# Altium PCB PMSM_Driver_V0.15.PcbDoc
Units mil, origin at the board's own origin, x right, y up, seen from the top; angles counter-clockwise.
Board outline 3740.16 x 3543.31 mil, 2 copper layers (Top Layer, Bottom Layer); 137 components, 75 nets, 356 pads, 315 vias.
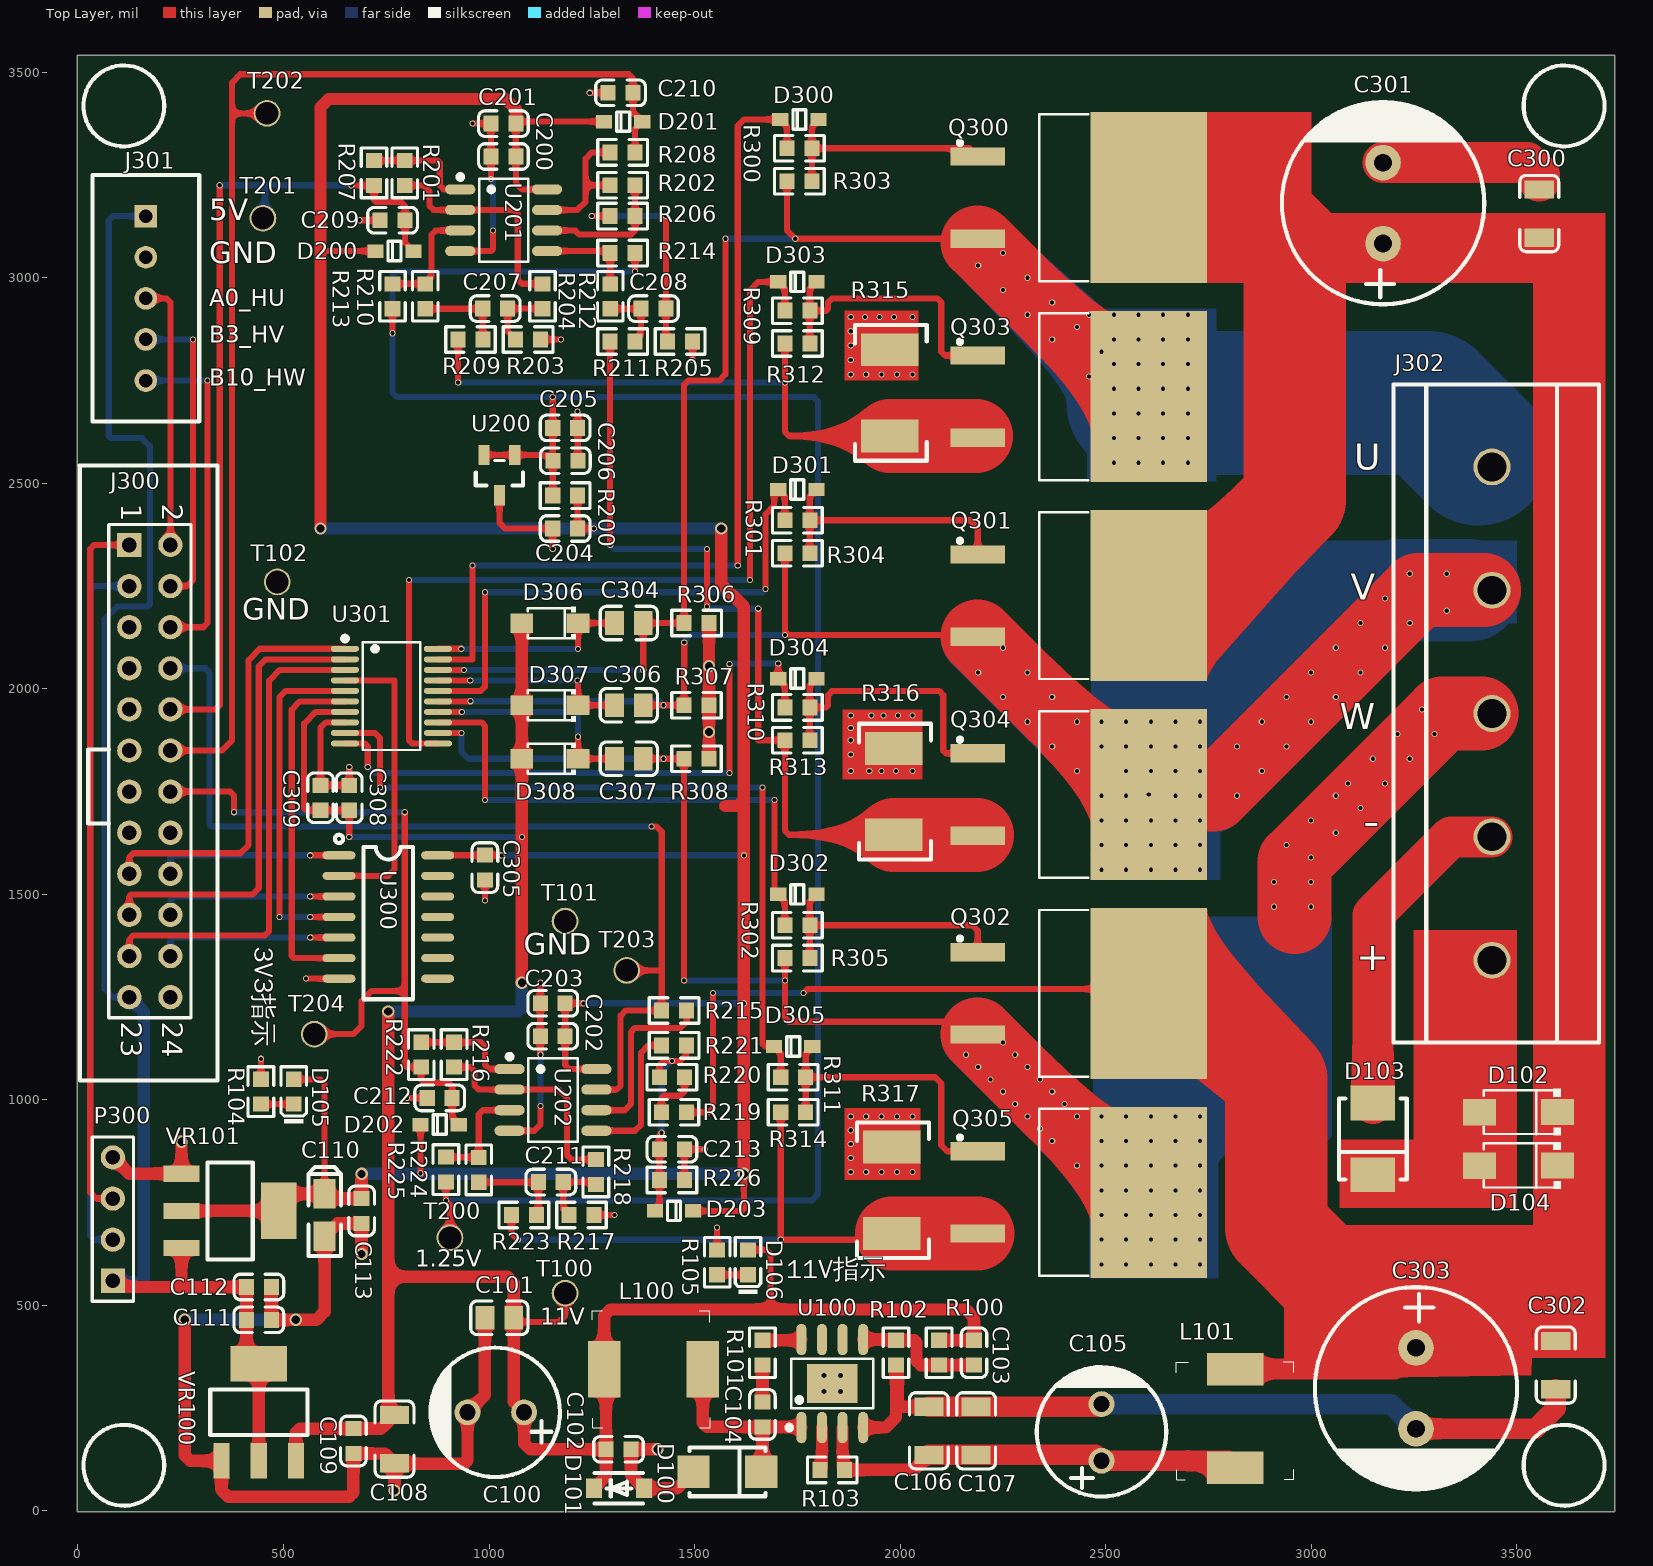
[diagram p0: Top Layer view]
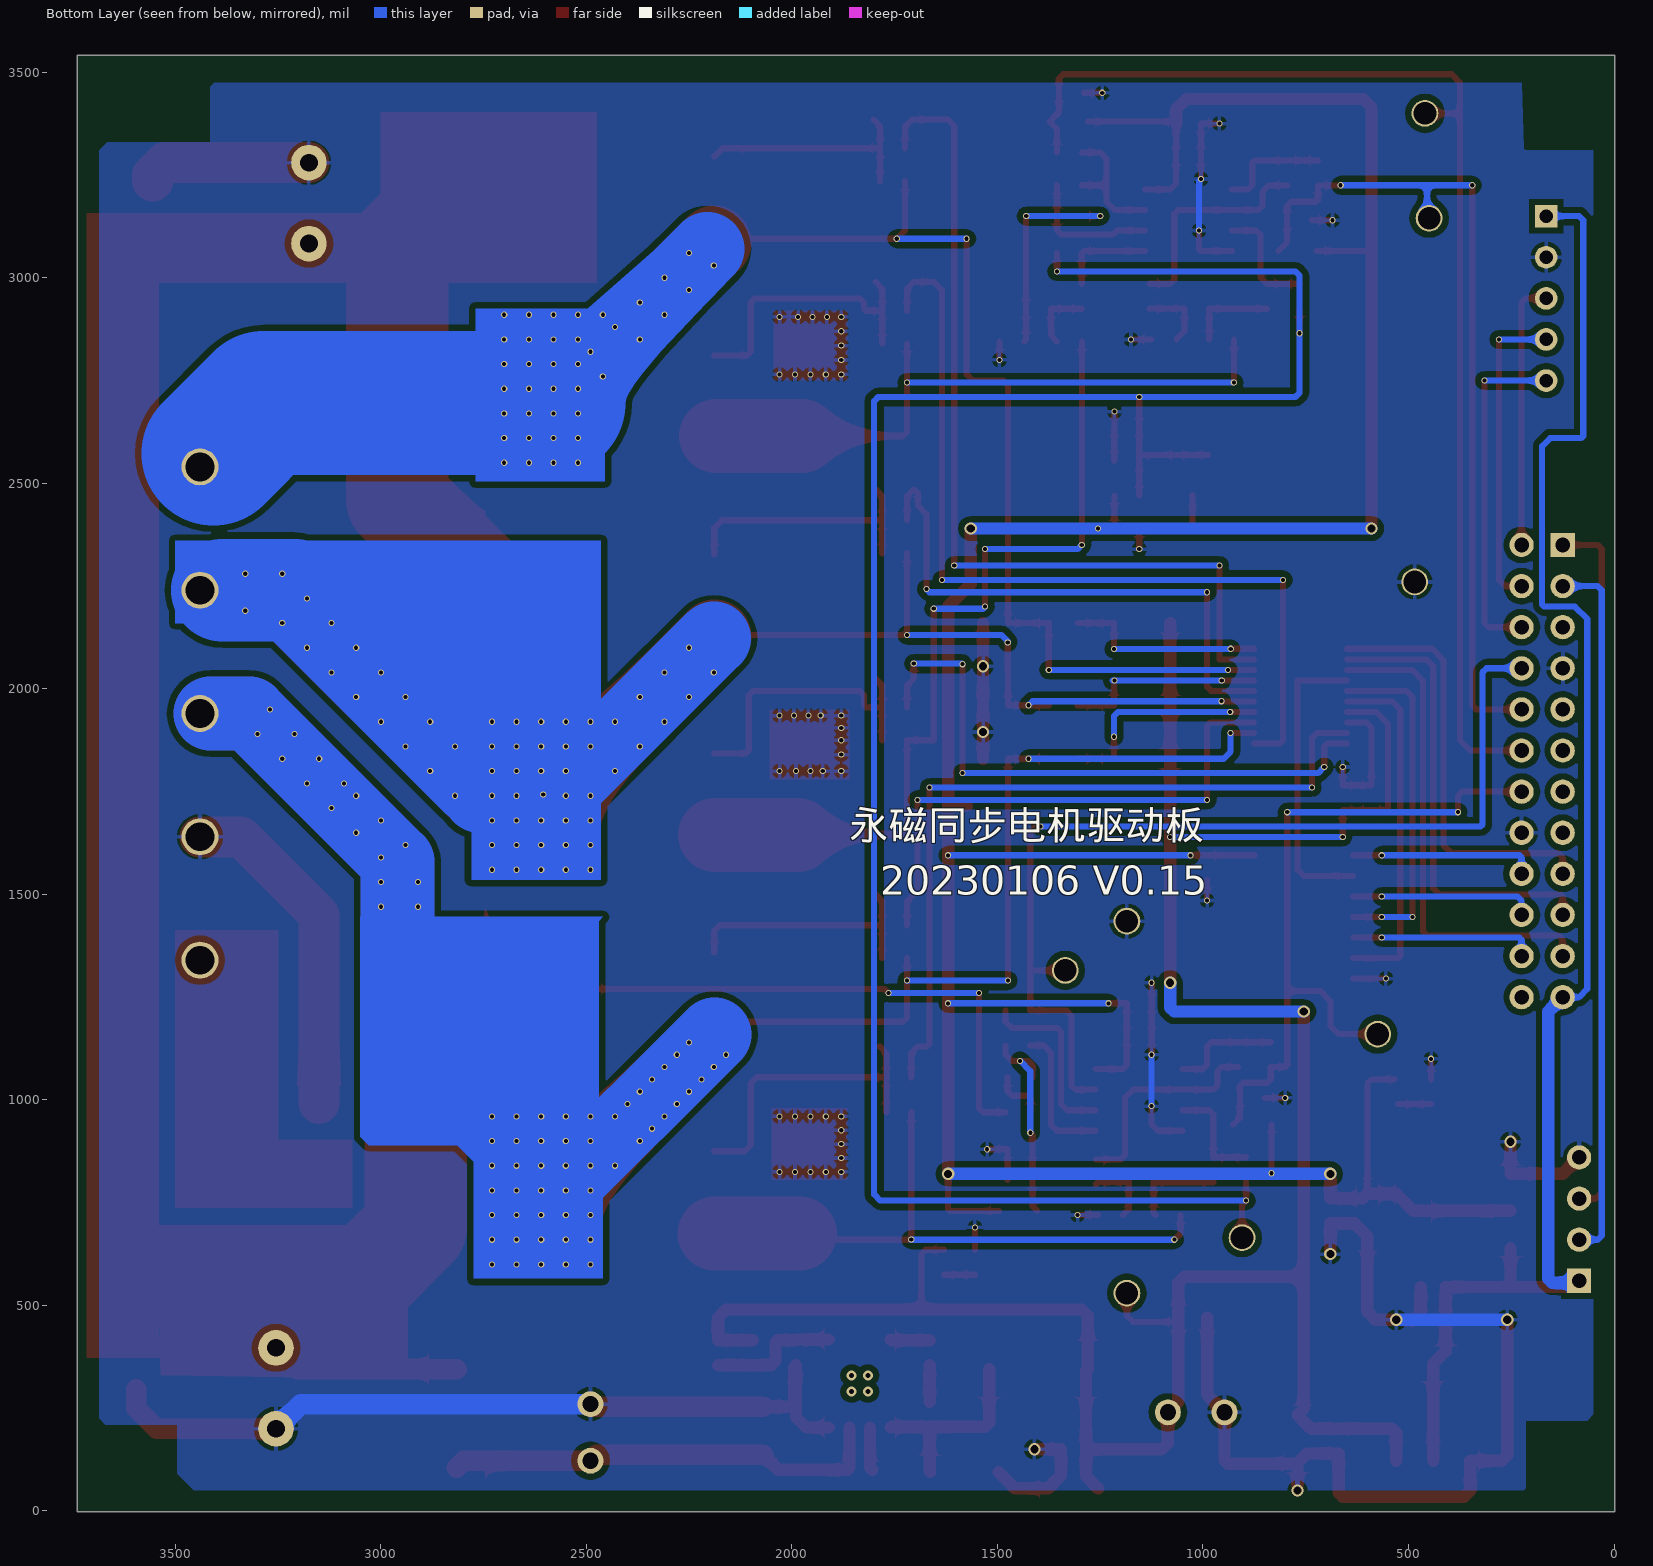
[diagram p1: Bottom Layer view, seen from below]
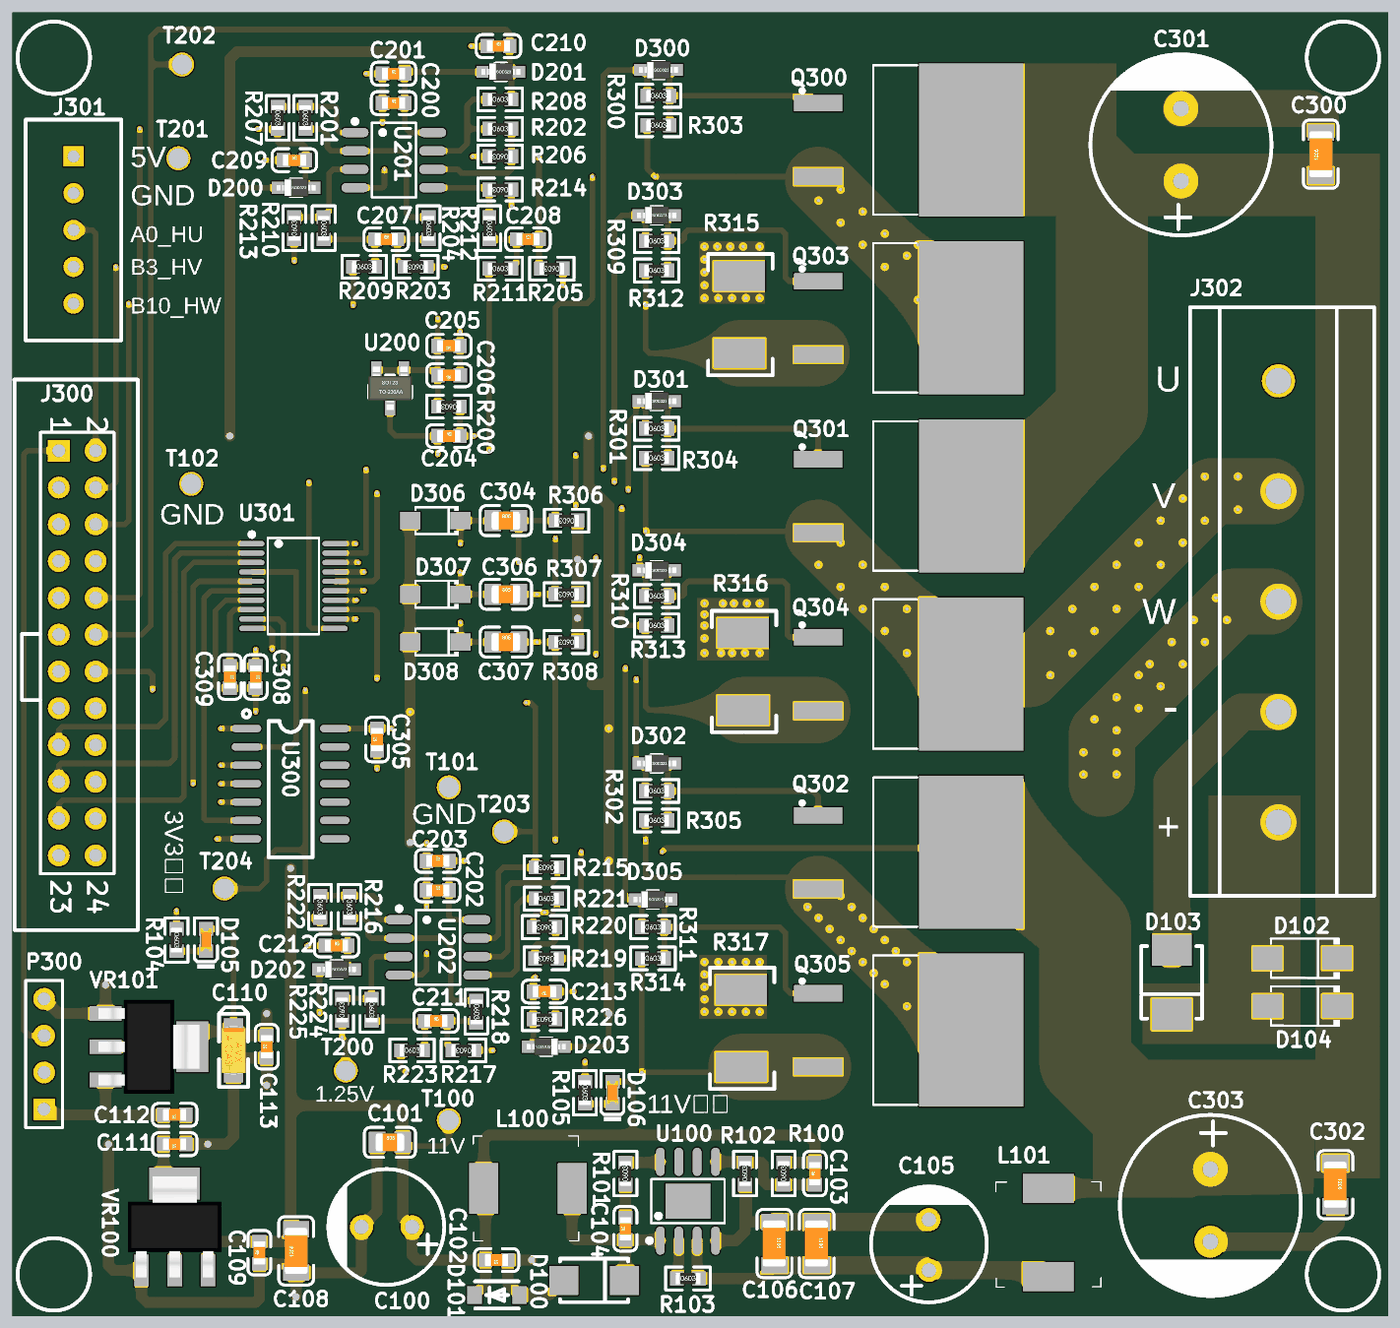
[diagram p2: 3D render of the assembled board from above, using the file's embedded part models]

## Layer stack, top to bottom
Top Solder: solder mask 0.4, Solder Resist, Dk 3.5
Top Layer: signal copper 1.4
Dielectric 1: dielectric 12.6, FR-4, Dk 4.8
Bottom Layer: signal copper 1.4
Bottom Solder: solder mask 0.4, Solder Resist, Dk 3.5

## Board outline
-1.65,-2.01 -1.65,3541.3 3738.5,3541.3 3738.5,-2.01

## Design rules (kind name [scope] priority, off if disabled: settings)
Clearance [All] p1: gap=10 ignorepadtopadclearanceinfootprint=FALSE
ComponentClearance [All] p1: gap=0 collisioncheckmode=3 verticalgap=0 showdistances=FALSE
HoleToHoleClearance [All] p1: gap=0 allowstackedmicrovias=TRUE
MinimumSolderMaskSliver [All] p1: minsoldermaskwidth=0
PolygonConnect [All] p1: connectstyle=Relief reliefconductorwidth=10 reliefentries=4 polygonreliefangle="90 Angle" airgapwidth=10
RoutingVias [All] p1: holewidth=10 width=13 viastyle="Through Hole" minholewidth=10 minwidth=13 maxholewidth=50 maxwidth=50
SilkToSilkClearance [All] p1: silktosilkclearance=0
SilkToSolderMaskClearance [IsPad] p1: minsilkscreentomaskgap=0 clearancetoexposedcopper=TRUE
SolderMaskExpansion [All] p1: expansion=4 istentingtop=FALSE
Width [All] p1: maxlimit=500 minlimit=10 preferedwidth=10
25 further rules are at their usual default settings.

## Classes and differential pairs
component class 03_MOS_Drive: C300 C301 C302 C303 C304 C305 C306 C307 C308 C309 D300 D301 D302 D303 D304 D305 D306 D307 D308 J300 J301 J302 P300 Q300 Q301 Q302 Q303 Q304 Q305 R300 R301 R302 R303 R304 R305 R306 R307 R308 R309 R310 R311 R312 R313 R314 R315 R316 R317 U300 U301
component class 02_Sensor: C200 C201 C202 C203 C204 C205 C206 C207 C208 C209 C210 C211 C212 C213 D200 D201 D202 D203 R200 R201 R202 R203 R204 R205 R206 R207 R208 R209 R210 R211 R212 R213 R214 R215 R216 R217 R218 R219 R220 R221 R222 R223 R224 R225 R226 T200 T201 T202 T203 T204 U200 U201 U202
component class 01_Power: C100 C101 C102 C103 C104 C105 C106 C107 C108 C109 C110 C111 C112 C113 D100 D101 D102 D103 D104 D105 D106 L100 L101 R100 R101 R102 R103 R104 R105 T100 T101 T102 U100 VR100 VR101

## Components (designator, comment, footprint, x,y, rotation, side; value= is the part's Value field where it differs from the comment)
C100 "470uF/25V" 47UF/100V 1015,240 r180 top
C101 "22uF (226) 20% 25V" LC-0805_C 1025,470 r0 top
C102 "100nF (104) 10% 50V" LC-0603_C 1315,150 r180 top
C103 "47pF (470) 5% 50V" LC-0603_C 2180,385 r90 top
C104 "100nF (104) 10% 50V" LC-0603_C 1665,235 r90 top
C105 "47uF/100V" 47UF/100V 2489.97,192.6 r90 top
C106 "2.2uF (225) 10% 100V" LC-1206_C 2070,195 r270 top
C107 "100nF (104) 10% 100V" LC-1206_C 2185,195 r270 top
C108 "10uF (106) 10% 50V" LC-1206_C 770,175 r90 top
C109 "100nF (104) 10% 50V" LC-0603_C 670,170 r90 top
C110 "10uF (106) ±10% 16V" LC-CASE-A_3216 600,720 r90 top
C111 "100nF (104) 10% 50V" LC-0603_C 440,465 r180 top
C112 "100nF (104) 10% 50V" LC-0603_C 440,545 r180 top
C113 "100nF (104) 10% 50V" LC-0603_C 690,730 r90 top
C200 "10uF (106) 10% 10V" LC-0603_C 1035,3295 r0 top
C201 "100nF (104) 10% 50V" LC-0603_C 1035,3375 r0 top
C202 "100nF (104) 10% 50V" LC-0603_C 1155,1155 r0 top
C203 "10uF (106) 10% 10V" LC-0603_C 1155,1235 r0 top
C204 "10uF (106) 10% 10V" LC-0603_C 1185.32,2390 r0 top
C205 "10uF (106) 10% 10V" LC-0603_C 1185.32,2635 r180 top
C206 "100nF (104) 10% 50V" LC-0603_C 1185.63,2555 r180 top
C207 "100pF (101) 5% 50V" LC-0603_C 1015,2925 r0 top
C208 "100pF (101) 5% 50V" LC-0603_C 1400,2925 r0 top
C209 "1nF (102) 10% 50V" LC-0603_C 765.32,3140 r0 top
C210 "1nF (102) 10% 50V" LC-0603_C 1320,3450 r0 top
C211 "100pF (101) 5% 50V" LC-0603_C 1150.32,800 r0 top
C212 "1nF (102) 10% 50V" LC-0603_C 880,1005 r0 top
C213 "2.2uF (225) 10% 16V" LC-0603_C 1445,880 r180 top
C300 "2.2uF (225) 10% 100V" LC-1206_C 3555,3156.34 r90 top
C301 "220uF/100V" 220UF/100V 3175,3083.15 r90 top
C302 "2.2uF (225) 10% 100V" LC-1206_C 3595,355 r270 top
C303 "220uF/100V" 220UF/100V 3255,396.85 r270 top
C304 "4.7uF (475) 10% 25V" LC-0805_C 1340,2160 r0 top
C305 "100nF (104) 10% 50V" LC-0603_C 990,1565 r90 top
C306 "4.7uF (475) 10% 25V" LC-0805_C 1340,1960 r0 top
C307 "4.7uF (475) 10% 25V" LC-0805_C 1340,1830 r0 top
C308 "4.7uF (475) 10% 25V" LC-0603_C 660,1735 r270 top
C309 "100nF (104) 10% 50V" LC-0603_C 590,1735 r270 top
D100 "SS310" LC-SMA(DO-214AC)_S1 1580,95 r180 top
D101 "SMF12A" "SMF12A - duplicate" 1255,55 r0 top
D102 "SS510" SS510 3599.29,970.74 r180 top
D103 "SMAJ75CA" LC-SMB(DO-214AA)_S1 3150,905 r90 top
D104 "SS510" SS510 3599.29,840.74 r180 top
D105 "绿灯 0603" LC-0603_LED_S1 525,1020 r90 top
D106 "绿灯 0603" LC-0603_LED_S1 1630,605 r90 top
D200 "1N4148WS T4" LC-SOD-323 770,3065 r0 top
D201 "1N4148WS T4" LC-SOD-323 1326.46,3380 r0 top
D202 "1N4148WS T4" LC-SOD-323 880,940 r0 top
D203 "1N4148WS T4" LC-SOD-323 1450,730 r180 top
D300 "1N4148WS T4" LC-SOD-323 1755,3385 r0 top
D301 "1N4148WS T4" LC-SOD-323 1750,2485 r0 top
D302 "1N4148WS T4" LC-SOD-323 1750,1500 r0 top
D303 "1N4148WS T4" LC-SOD-323 1750,2990 r0 top
D304 "1N4148WS T4" LC-SOD-323 1750,2025 r0 top
D305 "1N4148WS T4" LC-SOD-323 1740,1130 r0 top
D306 "DSK110" DSK110 1216.61,2160 r180 top
D307 "DSK110" DSK110 1216.61,1960 r180 top
D308 "DSK110" DSK110 1216.61,1830 r180 top
J300 "Header 12X2" HDR2X12 125,2350 r270 top
J301 "CON5" 2.54_5P_PHI 165,3150 r270 top
J302 "CON5" "7.62-5P 端子" 3440,2540 r270 top locked
L100 "47uH/0650" 0650_47uH 1390,345 r180 top locked
L101 "47uH/0650" 0650_47uH 2815,215 r270 top
P300 "Header 4" HDR1X4 85,560 r90 top
Q300 "IRFS3607TRLPBF" TO-263-2 2297.68,3202 r0 top
Q301 "IRFS3607TRLPBF" TO-263-2 2297.68,2234 r0 top
Q302 "IRFS3607TRLPBF" TO-263-2 2297.68,1266 r0 top
Q303 "IRFS3607TRLPBF" TO-263-2 2297.68,2718 r0 top locked
Q304 "IRFS3607TRLPBF" TO-263-2 2297.68,1750 r0 top locked
Q305 "IRFS3607TRLPBF" TO-263-2 2297.68,782 r0 top
R100 "301KΩ  ±1%" LC-0603_R 2095,385 r90 top
R101 "22Ω (22R0) ±1%" LC-0603_R 1665,385 r90 top
R102 "23.7KΩ (1502) ±1%" LC-0603_R 1990,385 r90 top
R103 "30mΩ ±1%" LC-0603_R 1835,100 r0 top
R104 "10KΩ (1002) ±1%" LC-0603_R 445,1020 r270 top
R105 "10KΩ (1002) ±1%" LC-0603_R 1555,605 r270 top
R200 "220Ω (2200) ±1%" LC-0603_R 1185.32,2470 r180 top
R201 "12KΩ (1202) ±1%" LC-0603_R 795,3255 r270 top
R202 "12KΩ (1202) ±1%" LC-0603_R 1325,3225 r0 top
R203 "1KΩ (1001) ±1%" LC-0603_R 1095,2850 r180 top
R204 "1KΩ (1001) ±1%" LC-0603_R 1130,2955 r270 top
R205 "1KΩ (1001) ±1%" LC-0603_R 1465,2845 r180 top
R206 "1KΩ (1001) ±1%" LC-0603_R 1325,3150 r180 top
R207 "100Ω (1000) ±1%" LC-0603_R 720,3255 r270 top
R208 "100Ω (1000) ±1%" LC-0603_R 1325,3305 r0 top
R209 "1KΩ (1001) ±1%" LC-0603_R 955,2850 r0 top
R210 "1KΩ (1001) ±1%" LC-0603_R 845,2955 r270 top
R211 "1KΩ (1001) ±1%" LC-0603_R 1325,2845 r0 top
R212 "1KΩ (1001) ±1%" LC-0603_R 1295,2955 r270 top
R213 "12KΩ (1202) ±1%" LC-0603_R 765,2955 r90 top
R214 "12KΩ (1202) ±1%" LC-0603_R 1325,3060 r180 top
R215 "1KΩ (1001) ±1%" LC-0603_R 1450.31,1217.66 r180 top
R216 "12KΩ (1202) ±1%" LC-0603_R 915,1110 r270 top
R217 "1KΩ (1001) ±1%" LC-0603_R 1225,720 r180 top
R218 "1KΩ (1001) ±1%" LC-0603_R 1260,825 r270 top
R219 "12KΩ (1202) ±1%" LC-0603_R 1450,970 r180 top
R220 "12KΩ (1202) ±1%" LC-0603_R 1445,1055 r180 top
R221 "1KΩ (1001) ±1%" LC-0603_R 1450.31,1132.66 r0 top
R222 "100Ω (1000) ±1%" LC-0603_R 835,1110 r270 top
R223 "1KΩ (1001) ±1%" LC-0603_R 1085,720 r0 top
R224 "1KΩ (1001) ±1%" LC-0603_R 975,830 r270 top
R225 "12KΩ (1202) ±1%" LC-0603_R 895,830.31 r90 top
R226 "1KΩ (1001) ±1%" LC-0603_R 1445,805 r180 top
R300 "22Ω (22R0) ±1%" LC-0603_R 1755,3315 r0 top
R301 "22Ω (22R0) ±1%" LC-0603_R 1750,2410 r0 top
R302 "22Ω (22R0) ±1%" LC-0603_R 1750,1425 r0 top
R303 "51KΩ (5102) ±1%" LC-0603_R 1755,3235 r0 top
R304 "51KΩ (5102) ±1%" LC-0603_R 1750,2330 r0 top
R305 "51KΩ (5102) ±1%" LC-0603_R 1750,1345 r0 top
R306 "20KΩ (2002) ±1%" LC-0603_R 1505,2160 r180 top
R307 "20KΩ (2002) ±1%" LC-0603_R 1504.69,1960 r180 top
R308 "20KΩ (2002) ±1%" LC-0603_R 1504.69,1830 r180 top
R309 "22Ω (22R0) ±1%" LC-0603_R 1750,2920 r0 top
R310 "22Ω (22R0) ±1%" LC-0603_R 1750,1955 r0 top
R311 "22Ω (22R0) ±1%" LC-0603_R 1740,1055 r0 top
R312 "51KΩ (5102) ±1%" LC-0603_R 1750,2840 r0 top
R313 "51KΩ (5102) ±1%" LC-0603_R 1750,1875 r0 top
R314 "51KΩ (5102) ±1%" LC-0603_R 1740,970 r0 top
R315 "R02  0.02Ohm 1% 2512" R2512 1935,2695 r270 top
R316 "R02  0.02Ohm 1% 2512" R2512 1945,1725 r270 top
R317 "R02  0.02Ohm 1% 2512" R2512 1940,755 r270 top
T100 "Test" Testpoint 1185,530 r90 top
T101 "Test" Testpoint 1185,1435 r90 top
T102 "Test" Testpoint 485,2260 r90 top
T200 "Test" Testpoint 905,665 r90 top
T201 "Test" Testpoint 450,3145 r90 top
T202 "Test" Testpoint 460,3400 r90 top
T203 "Test" Testpoint 1335,1315 r90 top
T204 "Test" Testpoint 575,1160 r90 top
U100 "TX4139" ESOP8 1760,202.89 r0 top
U200 "ME432AXG" LC-SOT-23(SOT-23-3) 1025.32,2520 r90 top
U201 "LMV358" TP2412-SR 930,3215 r270 top
U202 "LMV358" TP2412-SR 1050,1075 r270 top
U300 "74HC74" SOIC-14 635,1595 r0 top
U301 "EG2133" TSSOP20 725,2030 r270 top
VR100 "AMS1117-5.0" LC-SOT-223 440,240 r270 top
VR101 "AMS1117-3.3" LC-SOT-223 370,730 r180 top

## Footprints (in the part's own frame and the unit in brackets; to place one, negate y for a bottom-side part, rotate by r counter-clockwise, add the part's x,y. Pads: shape width x height; smd on the part's side, far side on the other; paste and mask are expansions set on the pad)
2.54_5P_PHI [mil]
  rect 55x55 hole 33: 1(0,0)
  round 55 hole 33: 2(100,0) 3(200,0) 4(300,0) 5(400,0)
  silkscreen extent -100,-130 500,130
"7.62-5P 端子" [mil]
  round 90 hole 70: 1(0,0) 2(300,0) 3(600,0) 4(900,0) 5(1200,0)
  silkscreen extent -200,-240 1400,260
47UF/100V [mm]
  round 1.6 hole 1: 1(-1.788,-0.001) 2(1.712,-0.001)
  silkscreen extent -4,-4 4,4
220UF/100V [mm] "13*21"
  round 2.2 hole 1.1: 1(0,0) 2(5,0)
  silkscreen extent -3.75,-6.25 8.75,6.25
0650_47uH [mm]
  rect 2x3.5 smd: 1(-3.302,0) 2(2.794,0)
  silkscreen extent -3.76,-3.62 3.52,3.62
DSK110 [mm] "SOD-123"
  rect 1.4x1.2 smd: 1(0,0) 2(3.47,0)
  silkscreen extent 0.13,-1 3.11,1
ESOP8 [mm]
  oval 0.602x1.941 smd: 1(0,0) 2(1.27,0) 3(2.54,0) 4(3.81,0) 5(3.81,5.441) 6(2.54,5.441) 7(1.27,5.441) 8(0,5.441)
  rect 3.098x2.41 smd: 9(1.905,2.72)
  silkscreen extent -0.9,-0.15 4.43,4.24
HDR1X4 [mm] "Connector; Header; 4 Position"
  rect 1.5x1.5 hole 0.9: 1(0,0)
  round 1.5 hole 0.9: 2(2.54,0) 3(5.08,0) 4(7.62,0)
  silkscreen extent -1.27,-1.27 8.89,1.27
HDR2X12 [mm] "Connector; Header; 12x2 Position"
  rect 1.5x1.5 hole 0.9: 1(0,0)
  round 1.5 hole 0.9: 2(0,2.54) 3(2.54,0) 4(2.54,2.54) 5(5.08,0) 6(5.08,2.54) 7(7.62,0) 8(7.62,2.54) 9(10.16,0) 10(10.16,2.54) 11(12.7,0) 12(12.7,2.54) 13(15.24,0) 14(15.24,2.54) 15(17.78,0) 16(17.78,2.54) 17(20.32,0) 18(20.32,2.54) 19(22.86,0) 20(22.86,2.54) 21(25.4,0) 22(25.4,2.54) 23(27.94,0) 24(27.94,2.54)
  silkscreen extent -1.27,-1.27 29.21,3.81
LC-0603_C [mm]
  rect 0.93x0.98 smd: 1(-0.77,0) 2(0.77,0)
  silkscreen extent -1.53,-0.79 1.54,0.79, body extent -0.8,-0.4 0.8,0.4, height 0.3
LC-0603_LED_S1 [mm]
  rect 0.93x0.98 smd: A(0.77,0) K(-0.77,0)
  silkscreen extent -1.98,-0.79 1.54,0.79, body extent -0.8,-0.4 0.8,0.4, height 0.6
LC-0603_R [mm]
  rect 0.93x0.98 smd: 1(-0.77,0) 2(0.77,0)
  silkscreen extent -1.53,-0.79 1.54,0.79, body extent -0.85,-0.4 0.85,0.4, height 0.56
LC-0805_C [mm]
  rect 1.16x1.47 smd: 1(-0.89,0) 2(0.89,0)
  silkscreen extent -1.77,-1.04 1.77,1.04, body extent -1,-0.62 1,0.63, height 0.77
LC-1206_C [mm]
  rect 1.13x1.8 smd: 1(-1.49,0) 2(1.49,0)
  silkscreen extent -2.36,-1.2 2.35,1.2, body extent -1.6,-0.81 1.6,0.79, height 1
LC-CASE-A_3216 [mm]
  rect 1.8x1.35 smd: 1(1.31,0) 2(-1.31,0)
  silkscreen extent -2.54,-1 2.97,1, body extent -1.7,-0.84 1.7,0.84, height 1.71
LC-SMA(DO-214AC)_S1 [mm]
  rect 2x2 smd: 1(2.1,0) 2(-2.1,0)
  silkscreen extent -2.35,-1.5 2.35,1.5
LC-SMB(DO-214AA)_S1 [mil]
  rect 85x107.99 smd: 1(87.01,0) 2(-87.01,0)
  silkscreen extent -98,-83 98,83
LC-SOD-323 [mm]
  rect 1x0.83 smd: 1(1.18,0) 2(-1.18,0)
  silkscreen extent -0.4,-0.6 0.4,0.6, body extent -1.35,-0.62 1.35,0.63, height 1.1
LC-SOT-23(SOT-23-3) [mm]
  rect 1.25x0.7 smd: 1(1.25,-0.95) 2(1.25,0.95) 3(-1.25,0)
  silkscreen extent -0.65,-1.46 0.9,1.46, body extent -1.5,-1.5 1.5,1.5, height 1.3
LC-SOT-223 [mm]
  rect 2.2x1 smd: 1(3,-2.3) 2(3,0) 3(3,2.3)
  rect 2.2x3.5 smd: 2(-3,0)
  silkscreen extent -1.4,-3 1.4,3, body extent -3.49,-3.24 3.49,3.24, height 1.64
R2512 [mil]
  rect 80x140 smd: 1(-130,40) 2(80,40)
  silkscreen extent -190,-45 140,130
"SMF12A - duplicate" [mm] "SOD123F"
  rect 1x1.2 smd: 1(0,0) 2(3.1,0)
  silkscreen extent 0.03,-0.93 3.04,0.95
SOIC-14 [mil] "74HCXXX"
  oval 80x20 smd: 1(0,0) 2(0,-50) 3(0,-100) 4(0,-150) 5(0,-200) 6(0,-250) 7(0,-300) 8(240,-300) 9(240,-250) 10(240,-200) 11(240,-150) 12(240,-100) 13(240,-50) 14(240,0)